# KiCad board jetson-orin-baseboard.kicad_pcb (continued)
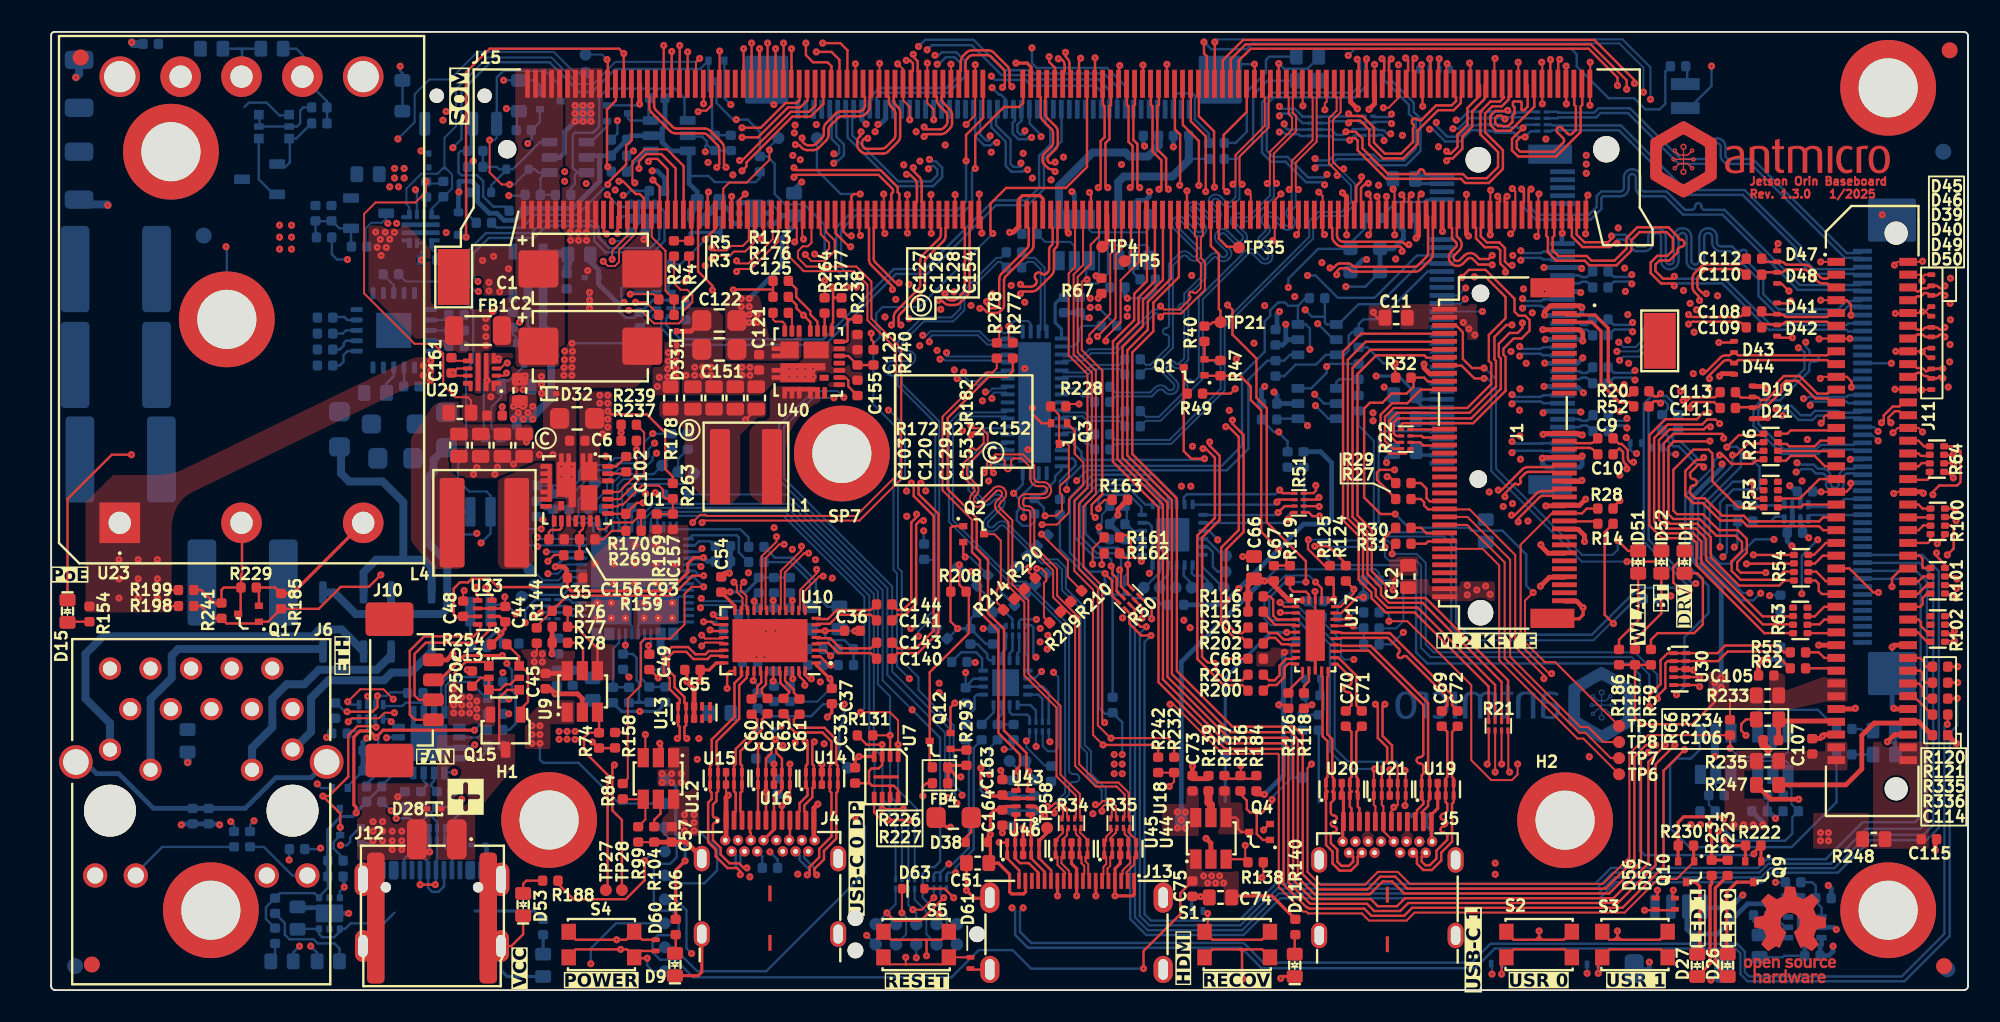
[diagram p0: board, top side]
## Routing (per net, layer and track width the routed paths; a pad name or vN(x,y) marks a point on that pad's centre or on a via; arc(x,y) is an arc through that point) (continued)
  Top w0.15: v1(79.37,30.86) 79.22,30.71 78.64,30.71
  In5.Cu w0.125: v1(54.84,58.88) 54.84,58.74 54.3,58.2 54.3,57.49 53.68,56.87 49.65,56.87 48.34,55.56 48.34,53.94 48.05,53.65 48.05,51.55 48.76,50.84 52.31,50.84 52.67,50.48 52.67,49.42 53.04,49.05 64.75,49.05 66.65,47.15 66.65,41.85 67.05,41.45 67.05,34.65 66.75,34.35 66.75,30.8 68.95,28.6 74.1,28.6 74.4,28.9 77.5,28.9 78.92,30.33 78.92,30.58 79.21,30.86 v1(79.37,30.86)
  Bottom w0.15: v1(54.84,58.88) 55.13,59.17 57.63,59.17 59.5,57.3 61.2,57.3 61.47,57.03 65.58,57.03 66.25,56.34 66.25,55.2
Net-(R51-R3.2): length 82
  Top w0.15: 78.64,30.31 79.35,30.31 v1(79.38,30.28)
  In5.Cu w0.125: v1(79.38,30.28) 77.65,28.55 74.5,28.55 73.7,27.75 69.4,27.75 66.45,30.7 66.45,34.45 66.75,34.75 66.75,41.27 66.35,41.67 66.35,47.05 64.65,48.75 52,48.75 51.63,49.12 51.63,50.05 51.09,50.59 48.59,50.59 47.75,51.43 47.75,53.7 47.38,54.07 47.38,56.58 49.89,59.09 v1(54.3,59.09)
  Bottom w0.15: v1(54.3,59.09) 54.72,59.51 57.74,59.51 59.65,57.6 61.35,57.6 61.55,57.4 65.9,57.4 66.75,56.55 66.75,55.2
Net-(R51-R4.2): length 85.8
  Top w0.15: 78.42,29.91 78.73,29.91 78.96,29.68 v1(79.4,29.68)
  In5.Cu w0.125: 47.33,53.73 47.45,53.61 47.45,51.35 48.47,50.33 50.97,50.33 51.35,49.95 51.35,48.8 51.7,48.45 52.35,48.45
  In5.Cu w0.15: v1(61.4,59) 61.07,59.33 54.96,59.33 54.77,59.52 49.82,59.52 47.05,56.75 47.05,54.01 47.33,53.73 ; 52.35,48.45 64.55,48.45 66.05,46.95 66.05,41.6 66.45,41.2 66.45,34.85 66.15,34.55 66.15,30.6 66.35,30.4 66.35,29.5 66.6,29.25 67.45,29.25 70.3,26.4 72.8,26.4 74.65,28.25 78.05,28.25 79.4,29.6 v1(79.4,29.68)
  Bottom w0.15: v1(61.4,59) 61.4,58.05 61.7,57.75 66.1,57.75 67.25,56.59 67.25,55.2
Net-(R155-Pad2): length 1.8
  Bottom w0.15: U39.3 25.64,29.95 25.18,29.49 R155.2
Net-(R156-Pad1): length 2.2
  Bottom w0.15: 26.31,21.49 26.31,22.22 26.24,22.3 26.24,23.7 U39.2
Net-(R256-Pad1): length 8.3
  Bottom w0.15: 27.74,49.06 27.68,49.06 27.05,49.69 27.05,50.65 26.67,51.03 25.67,51.03 25.5,51.2 25.5,52.4 25.65,52.55 26.06,52.55 26.28,52.77 26.28,54.22
  Bottom w0.155: 28.66,48.8 28.41,49.06 27.74,49.06
Net-(U5-RXD): length 2
  Bottom w0.13: 25.45,15.83 26.74,15.83 27.22,16.3
Net-(U5-TXD): length 5.2
  Bottom w0.15: 23.98,17.3 23.98,17.75 24.42,18.2 24.42,19.19 24.84,19.6 26.91,19.6 27.22,19.3
Net-(U5-~{CTS}): length 2.3
  Bottom w0.15: 25.45,14.53 26.83,14.53 27.22,14.92 27.22,15.3
Net-(U5-~{RESET}): length 3.3
  Bottom w0.15: 20.48,13.7 20.53,13.75 21.6,13.75 21.85,14 21.85,14.53 ; C31.1 20.48,13.63 19.74,12.89 R46.2 ; 19.52,12.75 19.52,12.78
Net-(U5-~{RTS}): length 4.8
  Bottom w0.15: 24.62,17.3 24.7,17.38 24.7,19.08 24.92,19.3 26.22,19.3 27.22,18.3
Net-(U6A-GPIO3/HPD1): length 4.3
  Bottom w0.125: TP13.1 33.01,30.72 33.01,29.73 33.2,29.54 34.25,29.54 34.35,29.44 U6.30
Net-(U9-EN): length 4.8
  Top w0.15: 34.2,20 34.2,21.4 32.85,22.75 32.34,22.75 32.34,23.75
Net-(U9-ISET): length 2.5
  Top w0.15: 33.3,20.05 33.3,21.42 32.97,21.75 32.34,21.75
Net-(U10-CAD_SNK/RSVD1): length 19.3
  Top w0.15: v1(42.32,18.89) 42.32,19.82 42.48,19.98 U10.29 ; v1(35.27,14.1) 35.14,13.97 35.14,11.25 35.73,10.65 TP28.1
  In5.Cu w0.15: v1(42.32,18.89) 38.97,18.89 35.27,15.19 v1(35.27,14.1)
Net-(U12-EN): length 3.3
  Top w0.125: 36.75,10.23 37.2,10.69 37.2,11.95 35.8,11.95 35.78,11.97
Net-(U12-ISET): length 1.9
  Top w0.15: 37.75,10.23 37.75,10.65 38.15,11.05 38.15,11.95
Net-(U23-TRIM): length 4.5
  Bottom w0.15: 12.15,58.95 11.75,58.95 ; 12.15,58.95 R157.2 ; 12.15,58.95 12.05,58.95 11.95,58.85 ; 11.75,58.95 R243.2 ; 11.75,58.95 11.85,58.95 11.95,58.85 ; 11.95,57.24 11.95,58.85
Net-(U29-DVDT): length 1.1
  Top w0.125: C161.2 25.27,39.4 U29.7
Net-(U29-PG): length 4.6
  Top w0.125: U29.3 28.12,38.92 28.47,39.27 v1(28.55,39.27) ; R272.2 v1(28.24,36.53)
  In3.Cu w0.125: v1(28.24,36.53) 28.24,37.62 28.96,38.34 28.96,38.86 v1(28.55,39.27)
Net-(U35-ISET): length 2.3
  Bottom w0.15: 108.56,5.75 108.2,5.39 108.2,4.3 108.57,3.93 U35.2
Net-(U36-SEL1): length 3.7
  Bottom w0.15: 63.15,30.73 63.15,31.88 64.12,32.85 64.12,33.12 63.95,33.3 U36.16
Net-(U38-CLK): length 15.5
  Bottom w0.15: 32.95,51.2 32.78,51.03 32.78,50.46 32.53,50.22 32.53,49.8 ; 32.95,51.2 U37.6 ; 32.95,51.2 32.94,51.2 32.65,51.49 32.65,53.55 32.8,53.7 33.95,53.7 34.3,54.05 34.3,55.9 34.85,56.45 39.05,56.45 39.65,55.85 39.65,54.54 39.7,54.49
Net-(U38-Q): length 2
  Bottom w0.15: 36.03,51.25 36.03,51.33 37.25,52.55 37.4,52.55
Net-(U42-EN): length 1.1
  Bottom w0.15: U42.3 28.9,42.92 28.9,42.92 R268.2
Net-(U48-DVDT): length 1.2
  Bottom w0.125: C160.2 24.15,46.08 23.83,46.41 U48.7
Net-(U48-PG): length 1
  Bottom w0.125: 23.45,49.55 23.45,49.11 23.35,49.01 U48.3
unconnected-(U1-GL-Pad10): length 0.1
  Top w0.15: 31.89,30.29 U1.28

## Copper pours and planes (outline as drawn; the poured copper is in the pictures)
+3V3 on Top: 105.05,18.85 107.25,18.85 107.25,17.55 103.75,17.55 103.75,19.95 105.05,19.95
+3V3 on Top: 78.2,20.95 77.25,20.95 76.65,20.45 76.65,20.25 75.45,20.25 75.45,21.25 76.35,21.25 76.35,21.45 78.2,21.45
+3V3 on Top: 89.3,40.7 88.05,40.7 88.05,41.75 86.25,41.75 86.25,41.35 84.45,41.35 84.45,42.95 89.3,42.95
+3V3 on Top: 86.26,25.74 86.27,25.6 90.4,25.6 90.4,24.35 84.45,24.35 84.45,25.74
+3V3 on Top: 39.35,37.25 39.35,40.6 37.65,40.6 37.65,37.25
+3V3 on Bottom: 103.6,10.75 104.1,10.75 104.1,10 102.4,10 102.4,10.75 102.75,10.75 102.75,14.1 103.6,14.1
+3V3 on Bottom: 90.75,24.45 88.75,24.5 88.25,24.5 88.25,27 89,27.75 89,28.5 90.75,28.5
+3V3 on Bottom: 63.6,43.8 65.85,43.8 65.85,42.45 64.75,42.45 64.75,43 62.75,43 62.75,46.35 63.6,46.35
+3V3 on In1.Cu: 89.55,28.85 90.71,28.75 90.75,24.25 89,24.25 89,22.75 90,21.75 91.75,21.75 91.75,16.05 101.95,16.05 101.95,19.85 104.9,19.85 104.9,18.05 104.17,18.05 104.2,4.25 68.35,4.4 68.35,13.25 66.25,13.25 66.25,15.65 70.15,15.65 70.16,9.55 78.75,9.55 78.75,7.01 89,7 89,19 86.25,21.75 86.25,39.75 77.95,39.75 74,43.75 66.85,43.75 66.85,42.37 64.65,42.35 64.65,46.15 78.65,46.05 82.25,42.5 89.45,42.5
+3V3 on In2.Cu: 58.25,19.65 54.75,19.65 54.75,17.55 67.75,17.55 67.75,12.75 38.75,12.75 38.75,19.5 34.95,19.5 33,21.45 33,30.4 37.15,34.04 37.15,39.74 39.75,39.74 39.75,35.9 50.25,22.25 58.25,22.25
+5V on Top: 40.55,9.65 38.25,9.65 38.25,10.75 38.65,11.15 38.65,12.65 40.55,12.65
+5V on Top: 107.25,13.75 106,13.75 106,12 107.5,12 107.5,10 104.75,10 104.75,15 107.25,15
+5V on Top: 32.8,19.35 29.4,19.35 29.4,21.35 32.8,21.35
+5V on Top: 28.67,35.75 30.4,35.75 30.4,37.38 28.67,37.38
+5V on Top: 71.85,9.65 69.55,9.65 69.55,11.65 71.05,11.65 71.05,12.65 71.85,12.65
+5V on Bottom: 28.67,36.81 30.45,36.81 30.45,35.75 29.65,35.1 28.67,35.1
+5V on Bottom: 66.6,42.95 67.7,42.95 67.7,41.85 65.9,41.85 65.9,44.3 66.4,44.8 66.4,46.38 67.15,46.38 67.15,44.75 66.6,44.05
+5V on Bottom: 107,10.75 107.4,10.75 107.4,9.95 105.1,9.95 105.1,10.75 106,10.75 106,14.05 107,14.05
+5V on In1.Cu: 69.75,39.75 67.75,39.75 67.75,34.25 68.75,33.25 68.75,31.75 71.25,29.25 71.25,19.05 72.55,17.65 72.55,9.75 70.25,9.75 70.25,15.75 66.25,15.75 66.25,33.25 64.75,34.75 64.75,42.25 66.75,42.25 66.75,43.75 69.75,43.75
+5V on In2.Cu: 32.82,37.56 32.82,20.82 34.35,19.25 38.5,19.25 38.5,12.5 84.25,12.5 87.79,16.05 107.75,16.05 107.75,9.75 66.85,9.75 65.65,8.55 54.75,8.55 53.55,9.75 28,9.75 28,30.56 27.56,30.94 27.57,37.1 28.02,37.56
+5V on In4.Cu: 107.5,11.55 107.5,0.5 38.8,0 38.8,11.65
+5V_SoM on Top: 28.56,35.56 28.55,37.33 28.7,37.47 30.42,37.47 30.42,36.97 30.98,36.97 30.98,39.9 27.2,39.9 27.2,37.35 25.7,37.35 25.7,35.88 25.94,35.56
+5V_SoM on Bottom: 27.61,40.98 28.61,40.98 28.64,40.95 28.64,39.77 27.69,38.82 27.69,37.1 27.31,36.72 27.31,35.38 26.38,35.38 26.32,35.44 26.32,38.6 26.75,39.03 26.75,40.12
+5V_SoM on Bottom: 28.75,38.05 29.35,38.7 30.98,38.7 30.98,37.09 28.75,37.09
+5V_SoM on In5.Cu: 29.01,40.82 22.7,34.51 22.7,32.2 23.55,31.35 27.69,31.35 28.95,32.61 33.5,32.61 34.16,33.27 34.16,35.84 31.75,38.25 31.75,40.82
/Ethernet/VDD on Top: 22.87,37.91 22.59,37.86 8.73,31.12 8.3,30.81 7.93,30.37 7.72,29.92 7.55,29.21 7.55,23.65 2.15,23.64 2.15,30.55 3.88,32.25 6.67,32.25 7.45,32.34 8.11,32.53 22.52,39.53 22.89,39.63 24.01,39.63 24.01,37.91
/Ethernet/VDD on Bottom: 3.55,30.65 5.75,30.65 5.75,29.15 10.55,29.15 10.55,22.77 0.55,22.77 0.55,47.85 3.55,47.85
/Ethernet/VDD on Bottom: 26.15,39.65 25.65,39.15 25.65,35.15 24.05,35.15 23.25,34.35 23.25,32.65 21.55,32.65 21.55,37.15 22.55,38.15 22.55,39.65 25.05,39.65 25.65,40.25 25.65,42.59 26.15,42.59
/Ethernet/VSS on Bottom: 17.05,38.55 19.65,38.55 19.65,40.35 21.55,40.35 21.55,32.65 19.15,32.65 19.15,35.05 17.25,35.05 17.25,37.05 16.35,37.05 16.35,42.45 17.05,42.45
/M.2/3V3_M2 on Bottom: 91.75,39.4 90,39.4 90,30.76 90.58,30.7 90.58,29.1 85,29.1 85,37.75 88,37.75 88,49.75 84.75,49.75 84.75,51.5 91.75,51.5
/Peripherals/3V3_CONN on Top: 112.45,18.05 111.05,18.05 108.75,17.55 107.55,17.55 107.55,19.85 108.55,19.85 108.55,18.75 111.05,19.65 112.45,19.65
/Peripherals/5V_CONN on Top: 112.45,13.75 107.65,13.75 107.65,14.95 111.05,14.95 111.05,15.55 112.45,15.55
/Peripherals/VCC_CONN on Top: 117.55,8.85 114.05,8.85 114.05,15.55 117.55,15.55
/Supply/3V3_OUT on Top: 44.77,35.99 44.63,35.85 44.23,35.85 43.15,34.77 43.15,31.01 42.5,30.36 41.3,30.36 39.66,32 39.66,35.09 39.11,35.64 38.42,35.64 38.06,36 38.06,36.75 38.22,36.91 44.63,36.91 44.77,36.77
/Supply/3V3_SW on Top: 48.17,36.26 48.17,37.82 44.99,37.82 44.99,35.89 44.75,35.66 44.3,35.66 43.71,35.08 43.71,31.04 44.5,30.36 45.75,30.36 46,30.59 46,33.6
/Supply/5V_OUT on Top: 25.9,26.36 25.91,31.68 24.91,32.59 24.91,34.09 29.82,34.09 30.22,34.54 30.22,35.45 26.85,35.45 25.66,36.84 24.45,36.84 23.95,36.67 22.52,34.56 22.52,28.11 23.94,26.36
/Supply/5V_SW on Top: 31.29,33.02 30.39,33.02 27.96,31.96 27.97,26.63 28.22,26.36 29.73,26.36 30.26,26.85 30.26,30.19 30.62,30.59 31.37,30.59 31.41,30.63 31.41,32.89
/Supply/VCC_IN on Top: 27.95,16.5 24.85,16.5 24.85,19.25 25.75,19.25 25.75,18.6 27.95,18.6
/Supply/VCC_IN on Bottom: 41.15,14.75 31.45,14.75 31.45,18.5 34.65,18.5 34.65,17.4 38.85,17.4 38.85,19.2 41.15,19.2
/Supply/VCC_IN on Bottom: 19.62,48.55 15.97,48.55 15.97,46.05 13.8,46.05 13.8,50.55 15.92,50.55 15.92,51.79 19.62,51.79
/Supply/VCC_IN on In1.Cu: 22.25,47.55 22.25,41.75 30.25,41.75 30.25,34.15 33.45,34.15 33.43,14.74 22.85,14.75 22.85,30.56 20.8,32.35 16.25,32.35 16.25,44.43 15.13,45.55 13.85,45.55 13.85,48.55 21.25,48.55
GND on Top: 39.9,26.4 38.64,25.15 32.85,25.16 32.85,26.55 33.33,26.55 35.2,28.29 37.14,28.29 37.42,28.55 37.42,29.14 39.9,29.14
GND on Top: 46.8,39.26 47.1,39.56 47.1,40.61 48.75,40.61 49.05,40.31 49.8,40.31 49.8,41.34 50.8,41.34 50.8,38.06 45.29,38.06 44.48,37.25 39.58,37.25 39.5,37.33 39.5,42.23 40.02,42.76 41.54,42.76 42.05,42.25 42.05,39.44 42.23,39.26
GND on Top: 34.75,55.75 34.55,55.75 34.55,47.75 38.28,47.75 38.29,39.37 36.59,37.72 32.88,37.72 32.88,31.62 34.2,31.62 34.2,29 34.45,28.7 34.45,27.85 31.71,27.85 31.71,28.62 32.17,28.93 32.17,29.79 31.57,30.83 31.57,33.15 30.29,33.15 27.79,32.05 25.76,32.05 25,32.73 25,33.96 30.01,33.96 30.79,34.98 30.8,39 32.35,40.5 32.35,47.15 31.85,47.54 31.85,51.46 32.05,51.64 32.05,57.75 34.75,57.75
GND on Top: 85.6,25.79 84.32,25.8 84.32,24.85 83.77,24.85 83.77,27.15 85.6,27.15
GND on Top: 29.05,43.48 26.45,43.48 26.45,46.55 29.05,46.55
GND on Top: 23.75,8.15 19.15,8.15 19.15,12.95 23.74,12.95
GND on Top: 83.97,41.36 82.47,41.36 82.47,42.86 83.97,42.86
GND on Bottom: 44.78,45.05 41.39,41.66 39.39,41.66 39.39,42.28 40.01,42.28 40.35,42.63 40.35,45.25 42.5,47.4 44.78,47.4
GND on Bottom: 70.67,52.96 69.77,52.96 69.77,54.16 70.67,54.16
GND on Bottom: 84.67,49.96 83.37,49.96 83.37,51.46 84.67,51.46
GND on Bottom: 24.27,51.95 23.27,51.96 23.27,53.06 24.27,53.06
GND on Bottom: 84.77,32.96 83.47,32.96 83.47,34.46 84.77,34.46
GND on Bottom: 33.07,18.16 31.07,18.16 31.07,19.41 33.07,19.41
GND on Bottom: 33.39,34.6 36.65,34.6 37.35,35.3 40.26,35.3 40.83,34.73 40.83,31.39 45.11,31.39 45.12,35.3 48.3,38.42 48.3,39.75 38.21,39.75 37.1,40.85 36.37,40.85 34.08,43.12 33.39,43.12
GND on Bottom: 84.77,35.06 82.47,35.06 82.47,38.36 84.77,38.36
GND on Bottom: 96.5,49.5 95.5,49.5 95.5,50 93.75,50 93.75,49.25 92.75,49.25 92.75,51.5 92.25,51.5 92.25,53 96.5,53
GND on Bottom: 26.16,33.53 26.16,31.92 32.82,31.92 32.82,32.61 33.29,33.08 33.95,33.08 33.93,43.94 31.88,43.94 31.88,37.19 28.08,33.53
GND on Bottom: 30.01,42.12 30.13,42.25 30.13,44.17 31.13,44.17 31.88,43.47 33.72,43.47 33.93,43.68 33.93,45.12 33.57,45.25 32.55,44.3 32.02,44.3 30.72,45.57 28.36,45.57 28.36,46.82 27.55,46.82 26.74,46.01 26.74,42.87 28.29,42.87 28.29,44.26 29.55,44.26 29.55,42.26 29.68,42.12
GND on Bottom: 46.8,21.8 47.75,21.8 47.75,19.95 46.85,19.95 46.85,20.55 43.85,20.55 43.85,23.35 46.8,23.3
GND on In1.Cu: 123.35,61.68 123,-1.5 -2.8,-1.8 -2.8,62.3 14.31,62.3
GND on In1.Cu: 14.75,0.37 13.83,0.37 13.83,21.02 14.75,21.02
GND on In2.Cu: 48.25,18.25 49.25,18.25 49.25,14.77 46,14.77 46,15.95 45.3,15.95 45.27,17.02 46,17.15 46,21.25 48.25,21.25
GND on In2.Cu, In4.Cu, In6.Cu: 123.54,-4.36 -5.01,-4.36 -5.01,64.99 123.54,64.99
GNDD on Bottom: 8.05,44.15 8.04,43.39 7.7,41.95 8,40.73 8.24,40.19 8.44,39.85 14.05,41.65 14.05,44.35 21.05,44.35 21.05,42.95 16.15,42.95 16.15,42.33 16.15,39.4 16.15,33.25 18.45,30.95 20.25,30.95 21.25,29.95 21.25,28.55 20.45,27.45 17.55,27.45 16.75,26.75 16.3,24.61 15.55,22.8 13.25,22.8 13.25,30.2 12.65,30.35 4.45,30.35 4.45,47.85 8.05,47.85
VCC on Top: 35.17,31.71 35.24,31.77 35.24,31.99 35.17,32.06 34.56,32.06 34.37,32.23 34.37,34.25 35.13,34.79 35.13,37.49 33.05,37.49 33.05,31.8 34.3,31.8 34.4,31.71
VCC on Top: 47,41.6 46.94,41.67 46.72,41.67 46.65,41.6 46.65,40.99 46.48,40.8 44.98,40.8 44.32,43.53 42.19,43.53 42.19,39.41 46.74,39.41 46.98,39.65 46.98,40.65 47,40.99
VCC on Top: 113.8,8.85 110.3,8.85 110.3,11.1 113.8,11.1
VCC on Bottom: 23.15,51.85 24.25,51.85 24.25,48.53 24.98,48.53 24.98,46.83 24.25,46.83 24.25,47.75 20.35,47.75 20.35,53.05 23.15,53.05
VCC on Bottom: 33.3,36.55 34.28,37.53 35.11,37.53 35.11,34.59 33.91,34.59 33.3,35.2
VCC on In1.Cu: 25.35,51.95 33.25,44.5 44.57,44.5 44.57,40 37.8,40 35.35,37.5 35.35,34.33 30.54,34.33 30.55,38.53 26.96,42 22.55,42 22.55,47.65 22.38,47.82 20.95,47.82 20.95,51.95
VCC on In2.Cu: 24.45,50.15 25.3,49.35 27.75,49.35 27.75,38.88 27.75,33.08 27.75,9.45 107.75,9.5 107.75,11.2 111.75,11.2 111.75,4.15 78.88,4.15 77.45,2.75 52.35,2.75 50.95,4.15 22,4.15 22,48.5 20.85,48.5 20.85,51.75 24.15,51.75 24.45,51.45
VDD_SoM on Top: 27.12,37.35 27.12,39.78 27.95,40.52 27.95,42.65 24.21,42.65 23.77,43.09 23.76,46.41 22.3,47.86 19.87,47.87 19.87,43.73 22.8,40.79 24.03,40.8 24.92,39.9 26.35,39.9 26.49,39.75 26.49,37.35
VDD_SoM on Bottom: 20.56,45.76 21.8,45.76 21.8,46.91 22.06,47.17 24.37,47.17 24.37,47.58 20.18,47.58 20.18,46.14
VDD_SoM on In1.Cu: 21.59,44.73 21.59,41.87 23.75,40.11 27.45,40.11 27.86,40.53 27.86,42.75 24.96,42.75 24.09,43.62 24.09,46.02 22.38,47.72 20.2,47.72 20.08,47.6 20.08,46.25
/CSI/CSIA_3V3 on Bottom: 114,22.5 106.2,22.5 106.15,16.7 103.55,16.7 103.55,15.45 102.85,15.45 102.85,18 105,18 105,23.75 114,23.75
/CSI/CSIA_5V on Bottom: 114,21.3 107.25,21.3 107.25,15.45 106.25,15.45 106.25,22.42 114,22.42
/CSI/CSIB_3V3 on Bottom: 70.5,54.15 69.8,53.55 69.75,53.05 68.8,53.05 68.8,54.55 69.55,54.55 69.55,55.9 70.5,55.9
/CSI/CSIB_5V on Bottom: 71.55,53.95 71.7,53.95 71.7,53.05 70.7,53.05 70.7,53.95 70.5,53.95 70.5,55.9 71.55,55.9
/SoM/SoM_VIN on Top: 32.05,50.52 31.85,50.52 31.85,47.54 32.15,47.3 32.16,39.02 29.06,39.02 29.06,40.26 27.65,40.26 27.65,42.47 28.56,43.39 28.97,43.39 29.06,43.48 29.06,57.75 32.06,57.75
/USB3/USBC1_VBUS on Top: 74.35,7.45 74.35,5.3 73.4,5.3 73.4,6.45 71.05,6.45 71.05,8.85 72.05,8.85 72.05,7.45
/USB3/USBC1_VBUS on Top: 85.15,9.85 85.25,9.85 85.25,8.85 82.05,8.85 82.05,9.85 82.15,9.85 82.15,11.25 85.15,11.25
/USB3/USBC1_VBUS on Bottom: 85.3,11.15 85.3,8.65 82.05,8.65 82.05,9.75 81.85,9.9 76.7,9.9 75.25,8.53 75.25,6.95 74.75,6.45 71.9,6.45 71.9,7.45 72.8,8.25 72.8,11.55 73.45,12.15 82.75,12.15
/USB Debug, DP/DRAIN1 on Top: 39.25,22.95 38.15,22.95 38.15,21.95 36.45,21.95 36.45,24.65 39.25,24.65
/USB Debug, DP/DRAIN2 on Top: 36.35,21.95 34.15,21.95 32.95,22.95 32.95,24.35 33.85,24.35 34.15,24.65 36.35,24.65
/USB Debug, DP/USBC0_VBUS on Top: 39.95,12.65 37.95,12.65 37.95,13.85 38.65,13.85 38.65,15.25 39.95,15.25
/USB Debug, DP/USBC0_VBUS on Bottom: 39.85,20.55 42.25,20.55 42.25,16.75 44.45,16.75 44.45,13.25 45.55,12.15 46.65,12.15 46.65,8.15 43.45,8.15 43.45,10.05 42.25,11.35 41.05,12.55 37.95,12.55 37.95,14.9 41.05,14.9 41.05,19.35 38.65,19.35 38.65,20.55 38.05,20.55 38.05,21.35 39.05,21.35
/USB Debug, DP/USBC3_VBUS on Top: 32.85,16.65 31.25,16.65 31.25,15.1 29.65,15.1 29.65,16.95 30.85,18.15 32.85,18.15
/USB Debug, DP/USBC3_VBUS on Bottom: 26.75,4.65 21.35,4.65 21.35,6.85 21.15,7.05 21.15,8.25 21.75,8.25 21.75,7.05 25.85,7.05 25.85,7.75 26.75,7.75
/USB Debug, DP/USBC3_VBUS on Bottom: 34.65,21.75 30.85,21.75 30.85,9.15 26.95,9.15 26.95,8.65 26.65,8.35 26.65,6.95 25.85,6.95 25.85,8.45 25.25,9.05 25.25,11.55 26.25,12.55 26.25,14.65 28.55,14.65 28.95,15.05 28.95,22.85 34.65,22.85
POE_OUTPUT on Bottom: 10.45,55.55 12.35,55.55 12.35,51.45 12.67,51.45 12.67,49.7 9.3,49.7 4.25,51.75 0.65,51.75 0.65,55.95 2.85,55.95 2.85,59.75 10.45,59.75
USBPD1_HV on Bottom: 35.35,21.75 35.05,21.35 35.05,19.25 31.25,19.25 31.25,20.65 32.35,20.65 32.35,21.75 34.55,21.75 34.55,22.85 35.35,22.85
USBPD2_HV on Bottom: 40.15,21.95 43.65,21.95 43.65,16.85 42.35,16.85 42.35,20.65 39.95,20.65 39.05,21.55 38.55,21.55 38.55,22.75 40.15,22.75
Net-(D12-Pad1) on Bottom: 19.07,33.06 17.27,33.06 17.27,34.96 19.07,34.96
Net-(D12-Pad2) on Bottom: 25.57,33.26 23.67,33.26 23.67,34.66 24.07,35.06 25.57,35.06
Net-(D28-C) on Top: 29.05,14.05 26.55,11.05 26.55,8.15 24.15,8.15 24.15,16.05 29.05,16.05
Net-(J6-P4) on Bottom: 9.55,19.15 9.05,18.65 9.05,15.9 6.55,15.9 6.55,18.15 7.55,19.15 7.55,20.15 8.55,21.15 9.55,21.15
Net-(Q4-D) on Top: 73.85,11.75 74.65,11.75 74.65,9.75 73.05,9.75 73.05,12.75 73.85,12.75
Net-(U9-EN) on Top: 35.3,19.4 33.8,19.4 33.8,21.65 35.3,21.65
unconnected-(U1-GL-Pad10) on Top: 31.65,29.08 31.65,29.77 32.04,30.04 32.11,30.14 32.04,30.62 31.59,30.62 31.39,30.44 30.69,30.44 30.62,30.21 31.36,29.05 31.49,29.01
unconnected-(U40-GL-Pad10) on Top: 49.34,38.06 48.89,38.06 48.64,38.53 48.39,38.53 48.09,38.34 48.09,37.97 48.28,37.8 48.28,37.4 48.57,37.68 48.62,37.76 49.7,37.76 49.7,37.91

Small or netless copper shapes (teardrops, artwork), in the pictures only: 2 on Bottom, 10 on In1.Cu, 3 on In2.Cu, 1 on In4.Cu

## Text on the board
B.Silkscreen: +1V8 | GND | VBUS0 | VBUS3 | VBUS1 | VCC | +5V | +3V3 | 3V3 STDB | PCB SHA ######## | + | - | C | A | B | SCL | SDA | 3V3 | SPI | R204  SPI / R112  I2C | I2C | SCK | MISO | ~{CS} | MOSI | EEPROM SPI | J9 SELECT ONE | STARTUP / MANUAL     AUTO | RX | TX | CSI B | 5V0 | M.2 KEY M | USB-C 3 DBG | I2C1 | CSI A
Top: Jetson Orin Baseboard / Rev. ${REVISION}   1/2025
F.Fab: F.Silkscreen | F.Paste | F.Mask | F.Cu | Dielectric 1 | In1.Cu | Dielectric 2 | In2.Cu | Dielectric 3  (1/2) | In3.Cu | Dielectric 4 | In4.Cu | Dielectric 5  (1/2) | In5.Cu | Dielectric 6 | In6.Cu | Dielectric 7 | B.Cu | B.Mask | B.Paste | B.Silkscreen | Top Silk Screen | Top Solder Paste | Top Solder Mask | copper | prepreg | core | Bottom Solder Mask | Bottom Solder Paste | Bottom Silk Screen | Not specified | PR2116 | FR4 | 0 mm | 0.01 mm | 0.035 mm | 0.12 mm | 0.2 mm | White | Black | 1 | 3.3 | 4.3 | 4.39 | 0 | 0.02 | Layer Name | Type | Material | Thickness (mm) | Color | Epsilon R | Loss Tangent
F.Mask: Jetson Orin Baseboard / Rev. ${REVISION}   1/2025
F.Silkscreen: C | D | + | DRV | PoE | FAN | POWER | RESET | RECOV | M.2 KEY E | USR 0 | USR 1 | ETH | VCC | USB-C 0 DP | HDMI | WLAN | BT | LED 1 | LED 0 | USB-C 1 | SOM
overlay: 4x 3.70mm
